# Altium PCB xialeste.PcbDoc (part 2 of 10)
Units mm, origin at the board's own origin, x right, y up, seen from the top; angles counter-clockwise.
Board outline 203.2 x 171.45 mm, 6 copper layers (L1, L2, L3, L4 (PWR), L5, L6), stack 1.542 mm thick; 748 components, 618 nets, 3334 pads, 1535 vias.
Unrouted connection lines stored in the file: 160.
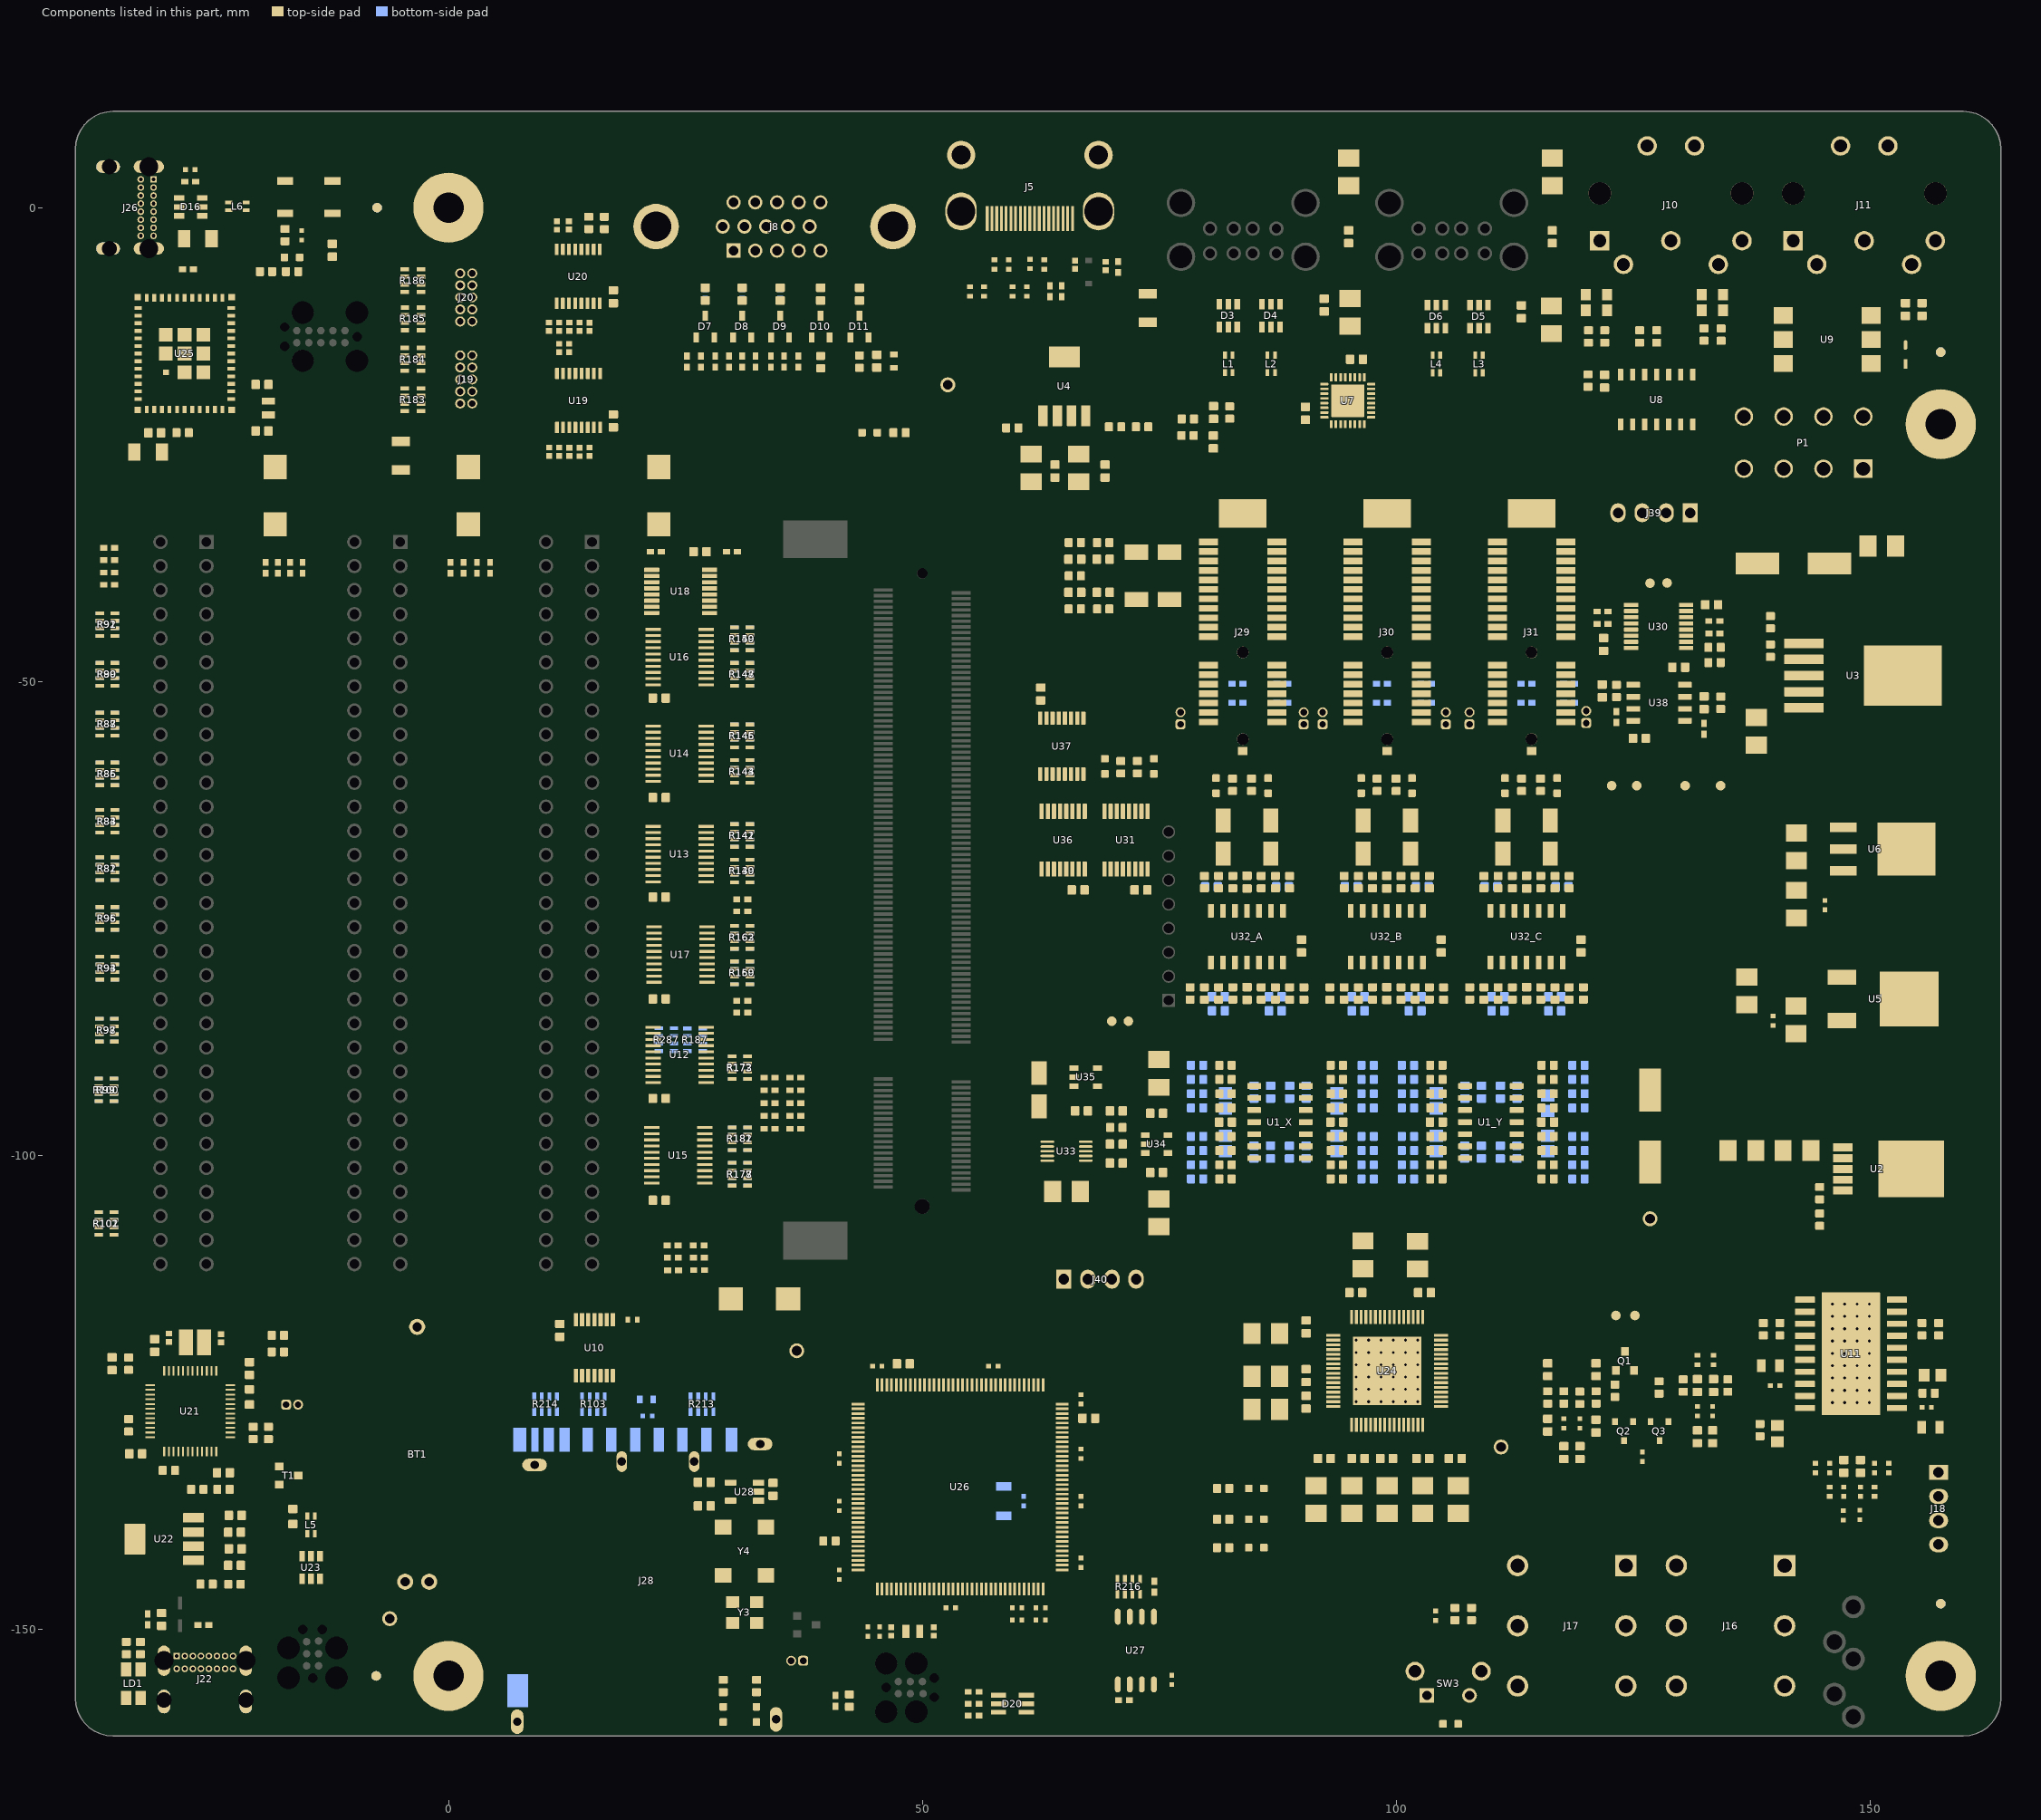
[diagram p6: the components of this part, seen from the top]

## Components (designator, comment, footprint, x,y, rotation, side; value= is the part's Value field where it differs from the comment) (continued)
R2_Y "820 Ohms" "RES 0603_1608" 104.25,-93.5 r0 top (schematic designator R2)
R3_X "15 kOhms" "RES 0603_1608" 79,-92 r0 bottom (schematic designator R3)
R3_Y "15 kOhms" "RES 0603_1608" 101.25,-92 r0 bottom (schematic designator R3)
R4_X "47 Ohms" "RES 0603_1608" 82,-90.5 r180 top (schematic designator R4)
R4_Y "47 Ohms" "RES 0603_1608" 104.25,-90.5 r180 top (schematic designator R4)
R5_X "15 kOhms" "RES 0603_1608" 79,-95 r0 bottom (schematic designator R5)
R5_Y "15 kOhms" "RES 0603_1608" 101.25,-95 r0 bottom (schematic designator R5)
R6_X "820 Ohms" "RES 0603_1608" 82,-95 r0 top (schematic designator R6)
R6_Y "820 Ohms" "RES 0603_1608" 104.25,-95 r0 top (schematic designator R6)
R7_X "47 kOhms" "RES 0603_1608" 79,-90.5 r0 bottom (schematic designator R7)
R7_Y "47 kOhms" "RES 0603_1608" 101.25,-90.5 r0 bottom (schematic designator R7)
R8_X "11 kOhms" "RES 0603_1608" 79,-93.5 r0 bottom (schematic designator R8)
R8_Y "11 kOhms" "RES 0603_1608" 101.25,-93.5 r0 bottom (schematic designator R8)
R9_X "11 kOhms" "RES 0603_1608" 82,-101 r0 top (schematic designator R9)
R9_Y "11 kOhms" "RES 0603_1608" 104.25,-101 r0 top (schematic designator R9)
R10_X "15 kOhms" "RES 0603_1608" 79,-101 r0 bottom (schematic designator R10)
R10_Y "15 kOhms" "RES 0603_1608" 101.25,-101 r0 bottom (schematic designator R10)
R11_X "820 Ohms" "RES 0603_1608" 82,-99.5 r0 top (schematic designator R11)
R11_Y "820 Ohms" "RES 0603_1608" 104.25,-99.5 r0 top (schematic designator R11)
R12_X "47 Ohms" "RES 0603_1608" 82,-102.5 r180 top (schematic designator R12)
R12_Y "47 Ohms" "RES 0603_1608" 104.25,-102.5 r180 top (schematic designator R12)
R13_X "15 kOhms" "RES 0603_1608" 79,-98 r0 bottom (schematic designator R13)
R13_Y "15 kOhms" "RES 0603_1608" 101.25,-98 r0 bottom (schematic designator R13)
R14_X "820 Ohms" "RES 0603_1608" 82,-98 r0 top (schematic designator R14)
R14_Y "820 Ohms" "RES 0603_1608" 104.25,-98 r0 top (schematic designator R14)
R15_X "47 kOhms" "RES 0603_1608" 79,-102.5 r0 bottom (schematic designator R15)
R15_Y "47 kOhms" "RES 0603_1608" 101.25,-102.5 r0 bottom (schematic designator R15)
R16_X "11 kOhms" "RES 0603_1608" 79,-99.5 r0 bottom (schematic designator R16)
R16_Y "11 kOhms" "RES 0603_1608" 101.25,-99.5 r0 bottom (schematic designator R16)
R17_X "11 kOhms" "RES 0603_1608" 93.75,-101 r180 top (schematic designator R17)
R17_Y "11 kOhms" "RES 0603_1608" 116,-101 r180 top (schematic designator R17)
R18_X "820 Ohms" "RES 0603_1608" 93.75,-99.5 r180 top (schematic designator R18)
R18_Y "820 Ohms" "RES 0603_1608" 116,-99.5 r180 top (schematic designator R18)
R19_X "15 kOhms" "RES 0603_1608" 97,-101 r180 bottom (schematic designator R19)
R19_Y "15 kOhms" "RES 0603_1608" 119.25,-101 r180 bottom (schematic designator R19)
R20_X "47 Ohms" "RES 0603_1608" 93.75,-102.5 r0 top (schematic designator R20)
R20_Y "47 Ohms" "RES 0603_1608" 116,-102.5 r0 top (schematic designator R20)
R21_X "15 kOhms" "RES 0603_1608" 97,-98 r180 bottom (schematic designator R21)
R21_Y "15 kOhms" "RES 0603_1608" 119.25,-98 r180 bottom (schematic designator R21)
R22_X "820 Ohms" "RES 0603_1608" 93.75,-98 r180 top (schematic designator R22)
R22_Y "820 Ohms" "RES 0603_1608" 116,-98 r180 top (schematic designator R22)
R23_X "47 kOhms" "RES 0603_1608" 97,-102.5 r180 bottom (schematic designator R23)
R23_Y "47 kOhms" "RES 0603_1608" 119.25,-102.5 r180 bottom (schematic designator R23)
R24_X "11 kOhms" "RES 0603_1608" 97,-99.5 r180 bottom (schematic designator R24)
R24_Y "11 kOhms" "RES 0603_1608" 119.25,-99.5 r180 bottom (schematic designator R24)
R25_X "11 kOhms" "RES 0603_1608" 93.75,-92 r180 top (schematic designator R25)
R25_Y "11 kOhms" "RES 0603_1608" 116,-92 r180 top (schematic designator R25)
R26_X "15 kOhms" "RES 0603_1608" 97,-92 r180 bottom (schematic designator R26)
R26_Y "15 kOhms" "RES 0603_1608" 119.25,-92 r180 bottom (schematic designator R26)
R27_X "820 Ohms" "RES 0603_1608" 93.75,-93.5 r180 top (schematic designator R27)
R27_Y "820 Ohms" "RES 0603_1608" 116,-93.5 r180 top (schematic designator R27)
R28_X "47 Ohms" "RES 0603_1608" 93.75,-90.5 r0 top (schematic designator R28)
R28_Y "47 Ohms" "RES 0603_1608" 116,-90.5 r0 top (schematic designator R28)
R29_X "15 kOhms" "RES 0603_1608" 97,-95 r180 bottom (schematic designator R29)
R29_Y "15 kOhms" "RES 0603_1608" 119.25,-95 r180 bottom (schematic designator R29)
R30_X "820 Ohms" "RES 0603_1608" 93.75,-95 r180 top (schematic designator R30)
R30_Y "820 Ohms" "RES 0603_1608" 116,-95 r180 top (schematic designator R30)
R31_X "47 kOhms" "RES 0603_1608" 97,-90.5 r180 bottom (schematic designator R31)
R31_Y "47 kOhms" "RES 0603_1608" 119.25,-90.5 r180 bottom (schematic designator R31)
R32_X "11 kOhms" "RES 0603_1608" 97,-93.5 r180 bottom (schematic designator R32)
R32_Y "11 kOhms" "RES 0603_1608" 119.25,-93.5 r180 bottom (schematic designator R32)
R33 "10 kOhms" "RES 0603_1608" 144.7,-104 r90 top
R34 "560 Ohms" "RES 0603_1608" 144.7,-106.8 r90 top
R35 "560 Ohms" "RES 0603_1608" 47.6,-23.75 r0 top
R36 "1.27 kOhms" "RES 0603_1608" 139.5,-46.75 r270 top
R37 "121 Ohms" "RES 0603_1608" 139.5,-43.75 r270 top
R38 "10 kOhms" "RES 0603_1608" 59.5,-23.25 r180 top
R39 "17.8 kOhms" "RES 0603_1608" 70.35,-23.136 r180 top
R40 "10 kOhms" "RES 0603_1608" 73.2,-23.136 r0 top
R41 "0R" R0402 55.026,-8.844 r270 top
R42 "0R" R0402 56.526,-8.844 r270 top
R43 "0R" R0402 57.626,-6.004 r270 top
R44 "0R" R0402 59.126,-6.004 r270 top
R45 "0R" R0402 59.526,-8.844 r270 top
R46 "0R" R0402 61.026,-8.844 r270 top
R47 "0R" R0402 61.376,-5.944 r270 top
R48 "0R" R0402 62.876,-6.004 r270 top
R49 "100 Ohms" "RES 0402_1005" 63.476,-8.819 r90 top
R50 "100 Ohms" "RES 0402_1005" 64.726,-8.819 r90 top
R51 "270 Ohms" "RES 0402_1005" 70.661,-6.261 r90 top
R52 "1.5 kOhms" "RES 0603_1608" 82.438,-21.622 r90 top
R53 "22 Ohms" "RES 0603_1608" 77.992,-24.047 r0 top
R54 "22 Ohms" "RES 0603_1608" 78.017,-22.297 r0 top
R55 "1.1 kOhms" "RES 0402_1005" 25.15,-16.25 r90 top
R56 "560 Ohms" "RES 0402_1005" 26.65,-16.25 r90 top
R57 "270 Ohms" "RES 0402_1005" 28.15,-16.25 r90 top
R58 "1.1 kOhms" "RES 0402_1005" 29.6,-16.25 r270 top
R59 "22 Ohms" "RES 0603_1608" 39.275,-16.3 r270 top
R60 "560 Ohms" "RES 0402_1005" 31,-16.25 r90 top
R61 "22 Ohms" "RES 0603_1608" 43.375,-16.25 r270 top
R62 "270 Ohms" "RES 0402_1005" 32.4,-16.25 r90 top
R63 "150 Ohms" "RES 0402_1005" 27.1,-9.125 r270 bottom
R64 "150 Ohms" "RES 0402_1005" 31,-9.125 r270 bottom
R65 "150 Ohms" "RES 0402_1005" 35,-9.125 r270 bottom
R66 "1.1 kOhms" "RES 0402_1005" 34.025,-16.25 r90 top
R67 "560 Ohms" "RES 0402_1005" 35.425,-16.25 r90 top
R68 "270 Ohms" "RES 0402_1005" 36.925,-16.25 r90 top
R69 "560 Ohms" "RES 0603_1608" 66.1,-35.35 r0 top
R70 "560 Ohms" "RES 0603_1608" 69.1,-35.35 r0 top
R71 "1 kOhms" "RES 0603_1608" 66.1,-38.85 r180 top
R72 "560 Ohms" "RES 0603_1608" 66.1,-42.35 r0 top
R73 "560 Ohms" "RES 0603_1608" 69.1,-42.35 r0 top
R74 "220 Ohms" "RES 0603_1608" 120.3,-13.6 r90 top
R75 "220 Ohms" "RES 0603_1608" 122.008,-13.6 r90 top
R76 "4.7 kOhms" "RES 0603_1608" 125.7,-13.6 r90 top
R77 "4.7 kOhms" "RES 0603_1608" 120.25,-18.25 r90 top
R78 "4.7 kOhms" "RES 0603_1608" 127.5,-13.6 r90 top
R79 "220 Ohms" "RES 0603_1608" 134.3,-13.4 r90 top
R80 "220 Ohms" "RES 0603_1608" 132.5,-13.4 r90 top
R81 "CAT16-3300F4LF" BOUR-CAT16-103J4LF_L -36,-69.75 r180 top
R82 "CAT16-5600F4LF" BOUR-CAT16-103J4LF_L -36,-69.75 r0 bottom
R83 "CAT16-3300F4LF" BOUR-CAT16-103J4LF_L -36,-64.75 r180 top
R84 "CAT16-5600F4LF" BOUR-CAT16-103J4LF_L -36,-64.75 r0 bottom
R85 "CAT16-3300F4LF" BOUR-CAT16-103J4LF_L -36,-59.75 r180 top
R86 "CAT16-5600F4LF" BOUR-CAT16-103J4LF_L -36,-59.75 r0 bottom
R87 "CAT16-3300F4LF" BOUR-CAT16-103J4LF_L -36,-54.5 r180 top
R88 "CAT16-5600F4LF" BOUR-CAT16-103J4LF_L -36,-54.5 r0 bottom
R89 "CAT16-3300F4LF" BOUR-CAT16-103J4LF_L -36,-49.25 r180 top
R90 "CAT16-5600F4LF" BOUR-CAT16-103J4LF_L -36,-49.25 r0 bottom
R91 "CAT16-3300F4LF" BOUR-CAT16-103J4LF_L -36,-44 r180 top
R92 "CAT16-5600F4LF" BOUR-CAT16-103J4LF_L -36,-44 r0 bottom
R93 "CAT16-3300F4LF" BOUR-CAT16-103J4LF_L -36,-80.25 r180 top
R94 "CAT16-5600F4LF" BOUR-CAT16-103J4LF_L -36,-80.25 r0 bottom
R95 "CAT16-3300F4LF" BOUR-CAT16-103J4LF_L -36,-75 r180 top
R96 "CAT16-5600F4LF" BOUR-CAT16-103J4LF_L -36,-75 r0 bottom
R97 "CAT16-3300F4LF" BOUR-CAT16-103J4LF_L -36.05,-86.8 r180 top
R98 "CAT16-5600F4LF" BOUR-CAT16-103J4LF_L -36.05,-86.8 r0 bottom
R99 "CAT16-3300F4LF" BOUR-CAT16-103J4LF_L -36.1,-93.1 r180 top
R100 "CAT16-5600F4LF" BOUR-CAT16-103J4LF_L -36.1,-93.1 r0 bottom
R101 "CAT16-3300F4LF" BOUR-CAT16-103J4LF_L -36.1,-107.2 r180 top
R102 "CAT16-5600F4LF" BOUR-CAT16-103J4LF_L -36.1,-107.2 r0 bottom
R103 "CAT16-102J4LF" BOUR-CAT16-103J4LF_L 15.3,-126.25 r270 bottom
R104 "330 Ohms" "RES 0402_1005" 4.4,-38 r270 top
R105 "560 Ohms" "RES 0402_1005" 3,-38 r90 top
R106 "330 Ohms" "RES 0402_1005" -15.4,-38 r270 top
R107 "560 Ohms" "RES 0402_1005" -16.7,-38 r90 top
R108 "330 Ohms" "RES 0402_1005" -35.8,-35.9 r0 top
R109 "560 Ohms" "RES 0402_1005" -35.8,-37.2 r180 top
R110 "330 Ohms" "RES 0402_1005" 0.2,-38 r270 top
R111 "560 Ohms" "RES 0402_1005" 1.6,-38 r90 top
R112 "330 Ohms" "RES 0402_1005" -19.301,-38 r270 top
R113 "560 Ohms" "RES 0402_1005" -18,-38 r90 top
R114 "330 Ohms" "RES 0402_1005" -35.8,-38.5 r0 top
R115 "560 Ohms" "RES 0402_1005" -35.8,-39.8 r180 top
R116 "1 kOhms" "RES 0603_1608" 138.4,-129 r90 top
R117 "1 kOhms" "RES 0603_1608" 156.2,-125.1 r180 top
R118 "39.2 Ohms" "RES 0805_2012" 156.6,-123.2 r0 top
R119 "1 kOhms" "RES 0603_1608" 155.5,-118.35 r270 top
R120 "1 kOhms" "RES 0603_1608" 157.25,-118.35 r270 top
R121 "15k" R0402 144.25,-133 r90 top
R122 "15k" R0402 152,-133 r90 top
R123 "39.2 Ohms" "RES 0805_2012" 140.25,-129.375 r270 top
R124 "1 kOhms" "RES 0603_1608" 140.5,-118.35 r270 top
R125 "33R" R0402 145.75,-135.5 r90 top
R126 "33R" R0402 150.5,-135.5 r90 top
R127 "1 kOhms" "RES 0603_1608" 138.75,-118.35 r270 top
R128 "562 Ohms" "RES 0603_1608" 135,-124.3 r270 top
R129 "562 Ohms" "RES 0603_1608" 130.3,-124.3 r270 top
R130 "47k5" R0402 133.5,-121.6 r90 top
R131 "47k5" R0402 131.8,-121.6 r90 top
R132 "100 Ohms" "RES 0603_1608" 121.1,-125.55 r90 top
R133 "100 Ohms" "RES 0603_1608" 116,-125.55 r90 top
R134 "100 kOhms" "RES 0603_1608" 119.38,-125.585 r270 top
R135 "100 kOhms" "RES 0603_1608" 117.7,-125.55 r270 top
R136 "100 kOhms" "RES 0603_1608" 127.75,-124.5 r270 top
R137 "5.1 kOhms" "RES 0603_1608" 123.1,-124.85 r90 top
R138 "270 Ohms" "RES 0603_1608" 107.958,-148.406 r270 top
R139 "CAT16-3300F4LF" BOUR-CAT16-103J4LF_L 31,-70 r0 top
R140 "CAT16-5600F4LF" BOUR-CAT16-103J4LF_L 31,-70 r180 bottom
R141 "CAT16-3300F4LF" BOUR-CAT16-103J4LF_L 31,-66.25 r0 top
R142 "CAT16-5600F4LF" BOUR-CAT16-103J4LF_L 31,-66.25 r180 bottom
R143 "CAT16-3300F4LF" BOUR-CAT16-103J4LF_L 31,-59.5 r0 top
R144 "CAT16-5600F4LF" BOUR-CAT16-103J4LF_L 31,-59.5 r180 bottom
R145 "CAT16-3300F4LF" BOUR-CAT16-103J4LF_L 31,-55.75 r0 top
R146 "CAT16-5600F4LF" BOUR-CAT16-103J4LF_L 31,-55.75 r180 bottom
R147 "CAT16-3300F4LF" BOUR-CAT16-103J4LF_L 31,-49.25 r0 top
R148 "CAT16-5600F4LF" BOUR-CAT16-103J4LF_L 31,-49.25 r180 bottom
R149 "CAT16-3300F4LF" BOUR-CAT16-103J4LF_L 31,-45.5 r0 top
R150 "CAT16-5600F4LF" BOUR-CAT16-103J4LF_L 31,-45.5 r180 bottom
R151 "1 kOhms" "RES 0402_1005" 31,-73 r0 top
R152 "1 kOhms" "RES 0402_1005" 33.9,-97.2 r180 top
R153 "1 kOhms" "RES 0402_1005" 33.9,-93.15 r180 top
R154 "1 kOhms" "RES 0402_1005" 33.9,-91.8 r180 top
R155 "1 kOhms" "RES 0402_1005" 33.9,-94.5 r180 top
R156 "1 kOhms" "RES 0402_1005" 33.9,-95.85 r180 top
R157 "1 kOhms" "RES 0402_1005" 23.698,-112.134 r180 top
R158 "1 kOhms" "RES 0402_1005" 31,-74.25 r0 top
R159 "CAT16-3300F4LF" BOUR-CAT16-103J4LF_L 31,-80.75 r0 top
R160 "CAT16-5600F4LF" BOUR-CAT16-103J4LF_L 31,-80.75 r180 bottom
R161 "22 Ohms" "RES 0402_1005" 36.6,-97.2 r180 top
R162 "CAT16-3300F4LF" BOUR-CAT16-103J4LF_L 31,-77 r0 top
R163 "CAT16-5600F4LF" BOUR-CAT16-103J4LF_L 31,-77 r180 bottom
R164 "22 Ohms" "RES 0402_1005" 36.6,-93.15 r180 top
R165 "22 Ohms" "RES 0402_1005" 36.6,-91.8 r180 top
R166 "22 Ohms" "RES 0402_1005" 36.6,-94.5 r180 top
R167 "22 Ohms" "RES 0402_1005" 36.6,-95.85 r180 top
R168 "1 kOhms" "RES 0402_1005" 31,-83.7 r0 top
R169 "22 Ohms" "RES 0402_1005" 26.407,-109.514 r180 top
R170 "22 Ohms" "RES 0402_1005" 26.429,-110.814 r180 top
R171 "22 Ohms" "RES 0402_1005" 26.448,-112.114 r180 top
R172 "CAT16-3300F4LF" BOUR-CAT16-103J4LF_L 30.75,-90.75 r0 top
R173 "CAT16-5600F4LF" BOUR-CAT16-103J4LF_L 30.744,-90.75 r180 bottom
R174 "1 kOhms" "RES 0402_1005" 31,-84.95 r0 top
R175 "1 kOhms" "RES 0402_1005" 23.657,-109.514 r180 top
R176 "1 kOhms" "RES 0402_1005" 23.679,-110.814 r180 top
R177 "CAT16-3300F4LF" BOUR-CAT16-103J4LF_L 30.75,-102 r0 top
R178 "CAT16-5600F4LF" BOUR-CAT16-103J4LF_L 30.75,-102 r180 bottom
R179 "1 kOhms" "RES 0402_1005" 29.923,-36.309 r180 top
R180 "1 kOhms" "RES 0402_1005" 21.877,-36.309 r0 top
R181 "CAT16-3300F4LF" BOUR-CAT16-103J4LF_L 30.75,-98.25 r0 top
R182 "CAT16-5600F4LF" BOUR-CAT16-103J4LF_L 30.75,-98.25 r180 bottom
R183 "CAY16-472J4LF" "RESNET 1206-8 CONVEX" -3.761,-20.27 r180 top
R184 "CAY16-472J4LF" "RESNET 1206-8 CONVEX" -3.761,-16.006 r180 top
R185 "CAY16-472J4LF" "RESNET 1206-8 CONVEX" -3.742,-11.737 r180 top
R186 "CAY16-472J4LF" "RESNET 1206-8 CONVEX" -3.761,-7.7 r180 top
R187 "CAT16-102J4LF" BOUR-CAT16-103J4LF_L 26.025,-87.809 r180 bottom
R188 "4.7 kOhms" "RES 0603_1608" -18,-119 r0 top
R189 "100 kOhms" "RES 0603_1608" -33.75,-122 r270 top
R190 "4.7 kOhms" "RES 0603_1608" -18,-120.75 r180 top
R191 "100 kOhms" "RES 0603_1608" -33.75,-128.5 r90 top
R192 "100 Ohms" "RES 0603_1608" -29.5,-133.25 r180 top
R193 "10 kOhms" "RES 0603_1608" -22.582,-145.267 r180 top
R194 "100 Ohms" "RES 0603_1608" -20.6,-129.3 r90 top
R195 "36 kOhms" "RES 0603_1608" -19,-129.3 r270 top
R196 "1K5" 0603R -16.413,-138.11 r270 top value=10K
R197 "17.8 kOhms" "RES 0603_1608" -23.75,-135.25 r0 top
R198 "10 kOhms" "RES 0603_1608" -26.5,-135.25 r180 top
R199 "5.1 kOhms" "RES 0402_1005" -31.75,-148.976 r270 top
R200 "5.1 kOhms" "RES 0402_1005" -25.877,-149.562 r180 top
R201 "100 Ohms" "RES 0603_1608" -34,-152 r270 top
R202 "100 Ohms" "RES 0603_1608" -32.5,-152 r270 top
R203 "100K" 0603R -21,-125.5 r90 top value=10K
R204 "33 kOhms" "RES 0603_1608" -16.5,-6.748 r0 top
R205 "33 kOhms" "RES 0603_1608" -28.05,-23.75 r180 top
R206 "100 Ohms" "RES 0603_1608" -17.245,-2.898 r270 top
R207 "560 Ohms" "RES 0603_1608" -19.25,-6.748 r180 top
R208 "5.1 kOhms" "RES 0402_1005" -27.25,2.75 r180 top
R209 "5.1 kOhms" "RES 0402_1005" -27.5,-6.5 r180 top
R210 "1 kOhms" "RES 0402_1005" 71.285,-157.511 r180 top
R211 "1 kOhms" "RES 0402_1005" 74.487,-145.521 r90 top
R212 "4.7 kOhms" "RES 0603_1608" 106.208,-148.406 r90 top
R213 "CAT16-103J4LF" BOUR-CAT16-103J4LF_L 26.75,-126.25 r90 bottom
R214 "CAT16-103J4LF" BOUR-CAT16-103J4LF_L 10.25,-126.25 r90 bottom
R215 "33R" R0402 19.425,-117.343 r180 top
R216 "CAT16-103J4LF" BOUR-CAT16-103J4LF_L 71.785,-145.511 r90 top
R217 "4.7 kOhms" "RES 0603_1608" 42.314,-157.543 r270 top
R218 "2.7 kOhms" "RES 0402_1005" 55.423,-159.125 r0 top
R219 "2.7 kOhms" "RES 0402_1005" 55.423,-157.875 r0 top
R220 "1 kOhms" "RES 0402_1005" 55.423,-156.625 r0 top
R221 "270 Ohms" "RES 0603_1608" 29,-156 r270 top
R222 "270 Ohms" "RES 0603_1608" 32.5,-156 r270 top
R223 "270 Ohms" "RES 0603_1608" 81.75,-141.4 r0 top
R224 "270 Ohms" "RES 0603_1608" 81.75,-135.15 r0 top
R225 "270 Ohms" "RES 0603_1608" 81.75,-138.4 r0 top
R242 "100 kOhms" "RES 0402_1005" 83.25,-50.25 r0 bottom
R243 "100 kOhms" "RES 0402_1005" 88,-50.25 r0 bottom
R244 "100 kOhms" "RES 0402_1005" 98.5,-50.25 r0 bottom
R245 "100 kOhms" "RES 0402_1005" 103.175,-50.25 r0 bottom
R246 "100 kOhms" "RES 0402_1005" 113.75,-50.25 r0 bottom
R247 "100 kOhms" "RES 0402_1005" 118.25,-50.25 r0 bottom
R248 "100 kOhms" "RES 0402_1005" 83.25,-52.25 r0 bottom
R249 "100 kOhms" "RES 0402_1005" 88,-52.25 r0 bottom
R250 "100 kOhms" "RES 0402_1005" 98.5,-52.25 r0 bottom
R251 "100 kOhms" "RES 0402_1005" 103.175,-52.25 r0 bottom
R252 "100 kOhms" "RES 0402_1005" 113.75,-52.25 r0 bottom
R253 "100 kOhms" "RES 0402_1005" 118.25,-52.25 r0 bottom
R254 "2.2 kOhms" "RES 0603_1608" 133.6,-48 r180 top
R255 "2.2 kOhms" "RES 0603_1608" 133.6,-46.4 r180 top
R256 "270 Ohms" "RES 0603_1608" 82.75,-60.905 r270 top
R257 "270 Ohms" "RES 0603_1608" 84.75,-60.905 r270 top
R258 "270 Ohms" "RES 0603_1608" 98,-60.905 r270 top
R259 "270 Ohms" "RES 0603_1608" 100,-60.905 r270 top
R260 "270 Ohms" "RES 0603_1608" 113.25,-60.905 r270 top
R261 "270 Ohms" "RES 0603_1608" 115.25,-60.905 r270 top
R262 "270 Ohms" "RES 0603_1608" 72.7,-59.05 r90 top
R263 "270 Ohms" "RES 0603_1608" 70.95,-59.05 r90 top
R264_A "1.5 kOhms" "RES 0603_1608" 81.267,-71.172 r90 top (schematic designator R264)
R264_B "1.5 kOhms" "RES 0603_1608" 96.017,-71.172 r90 top (schematic designator R264)
R264_C "1.5 kOhms" "RES 0603_1608" 110.767,-71.172 r90 top (schematic designator R264)
R265_A "3 kOhms" "RES 0603_1608" 82.767,-71.172 r270 top (schematic designator R265)
R265_B "3 kOhms" "RES 0603_1608" 97.517,-71.172 r270 top (schematic designator R265)
R265_C "3 kOhms" "RES 0603_1608" 112.267,-71.172 r270 top (schematic designator R265)
R266_A "47 Ohms" "RES 0603_1608" 79.767,-71.172 r90 top (schematic designator R266)
R266_B "47 Ohms" "RES 0603_1608" 94.517,-71.172 r90 top (schematic designator R266)
R266_C "47 Ohms" "RES 0603_1608" 109.267,-71.172 r90 top (schematic designator R266)
R267_A "1.5 kOhms" "RES 0603_1608" 81.267,-82.922 r270 top (schematic designator R267)
R267_B "1.5 kOhms" "RES 0603_1608" 96.017,-82.922 r270 top (schematic designator R267)
R267_C "1.5 kOhms" "RES 0603_1608" 110.767,-82.922 r270 top (schematic designator R267)
R268_A "1.5 kOhms" "RES 0603_1608" 82.767,-82.922 r90 top (schematic designator R268)
R268_B "1.5 kOhms" "RES 0603_1608" 97.517,-82.922 r90 top (schematic designator R268)
R268_C "1.5 kOhms" "RES 0603_1608" 112.267,-82.922 r90 top (schematic designator R268)
R269_A "47 Ohms" "RES 0603_1608" 79.767,-82.922 r270 top (schematic designator R269)
R269_B "47 Ohms" "RES 0603_1608" 94.517,-82.922 r270 top (schematic designator R269)
R269_C "47 Ohms" "RES 0603_1608" 109.267,-82.922 r270 top (schematic designator R269)
R270_A "1.5 kOhms" "RES 0603_1608" 78.267,-82.922 r270 top (schematic designator R270)
R270_B "1.5 kOhms" "RES 0603_1608" 93.017,-82.922 r270 top (schematic designator R270)
R270_C "1.5 kOhms" "RES 0603_1608" 107.767,-82.922 r270 top (schematic designator R270)
R271_A "1.5 kOhms" "RES 0603_1608" 87.267,-71.172 r90 top (schematic designator R271)
R271_B "1.5 kOhms" "RES 0603_1608" 102.017,-71.172 r90 top (schematic designator R271)
R271_C "1.5 kOhms" "RES 0603_1608" 116.767,-71.172 r90 top (schematic designator R271)
R272_A "3 kOhms" "RES 0603_1608" 85.767,-71.172 r270 top (schematic designator R272)
R272_B "3 kOhms" "RES 0603_1608" 100.517,-71.172 r270 top (schematic designator R272)
R272_C "3 kOhms" "RES 0603_1608" 115.267,-71.172 r270 top (schematic designator R272)
R273_A "47 Ohms" "RES 0603_1608" 88.767,-71.172 r90 top (schematic designator R273)
R273_B "47 Ohms" "RES 0603_1608" 103.517,-71.172 r90 top (schematic designator R273)
R273_C "47 Ohms" "RES 0603_1608" 118.267,-71.172 r90 top (schematic designator R273)
R274_A "1.5 kOhms" "RES 0603_1608" 87.267,-82.922 r270 top (schematic designator R274)
R274_B "1.5 kOhms" "RES 0603_1608" 102.017,-82.922 r270 top (schematic designator R274)